# Altium PCB waffling80-MX-south.PcbDoc (part 2 of 3)
Units mm, origin at the board's own origin, x right, y up, seen from the top; angles counter-clockwise.
Board outline 343.71 x 126.52 mm, 2 copper layers (Component Side, Bottom Layer), stack 1.171 mm thick; 250 components, 145 nets, 1072 pads, 177 vias.
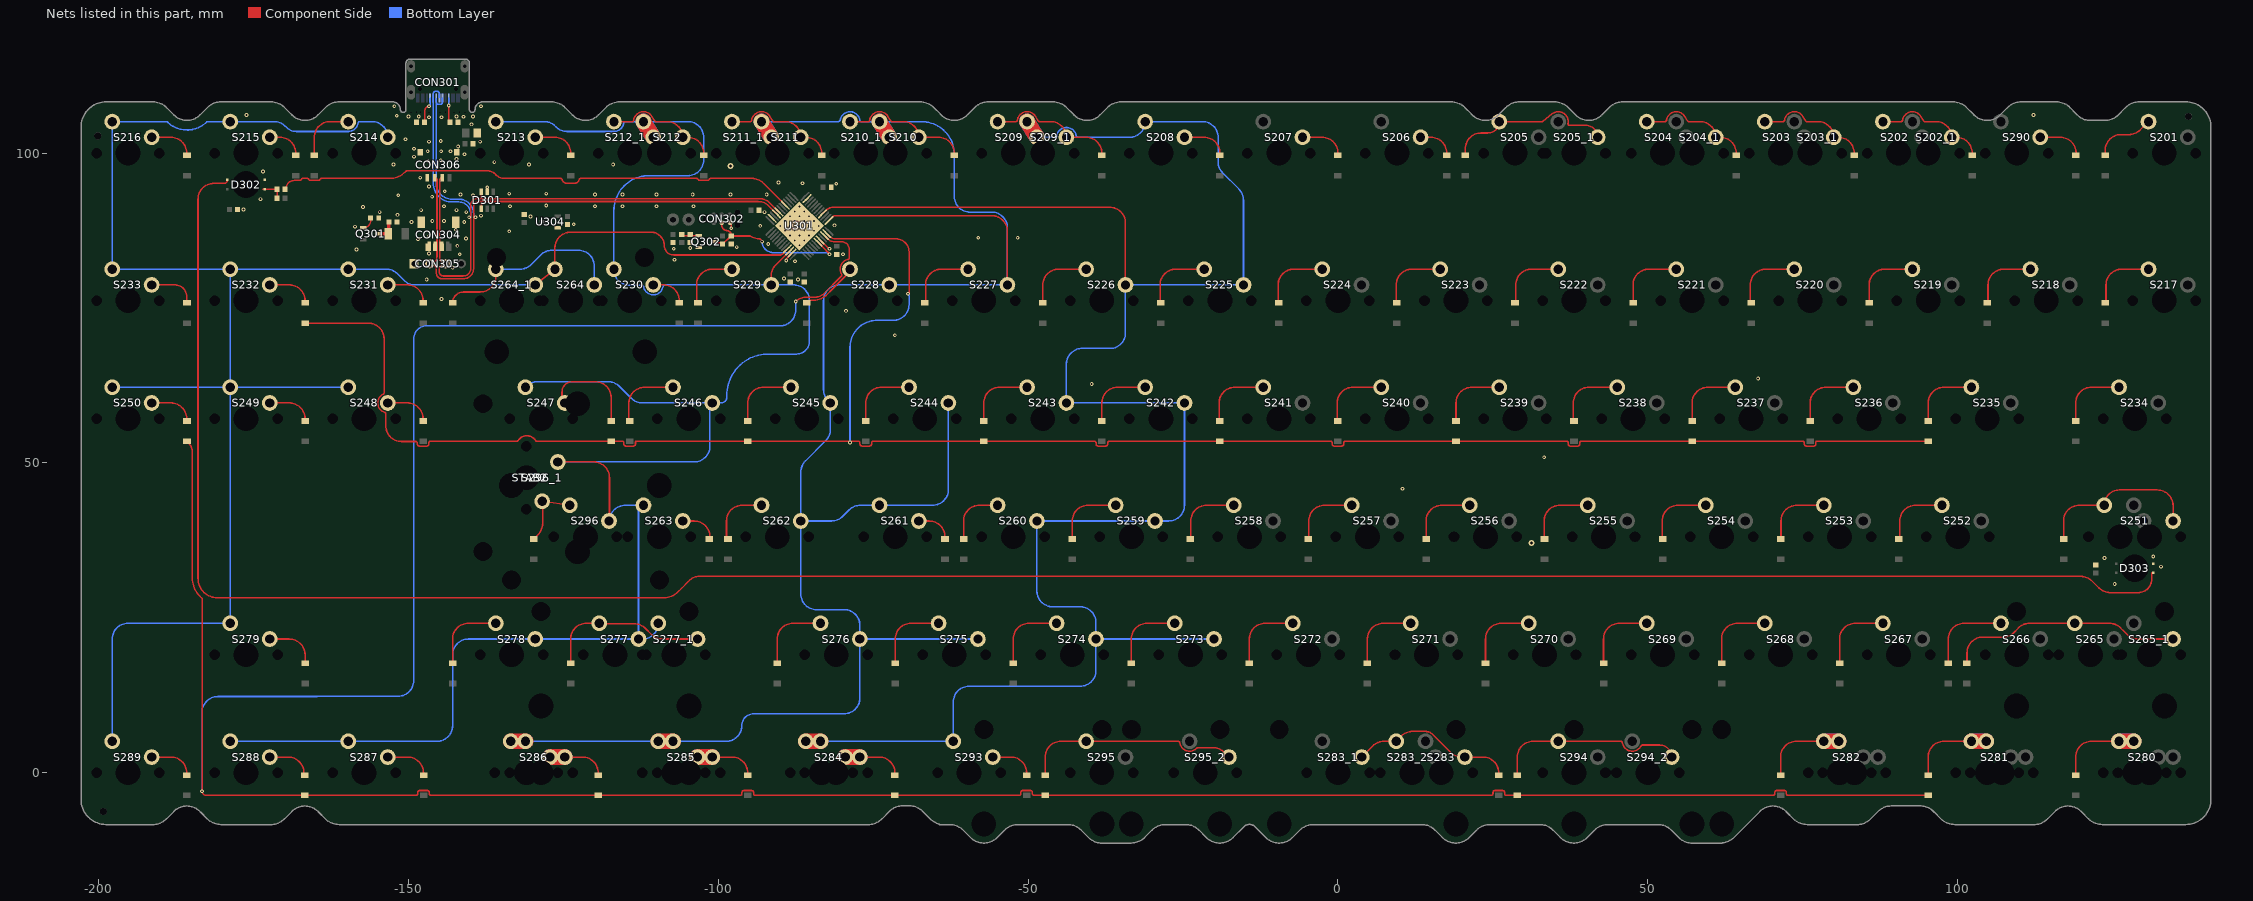
[diagram p2: the nets of this part, all layers, seen from the top]

## Via types
v1: diameter 0.6, hole 0.3, Component Side to Bottom Layer, tented both sides, 149 vias
v2: diameter 0.6, hole 0.3, Component Side to Bottom Layer, tented bottom, 25 vias
v3: diameter 1, hole 0.5, Component Side to Bottom Layer, tented both sides, 3 vias

## Nets (pads, with @x,y where several pads share a name; then routed paths per layer and width w, separated by ;. In a path a pad name is that pad's centre, name@x,y a point inside that pad or via, vN(x,y) a via of type N, cw(c..) or ccw(c..) an arc to the next point about the centre after c; other vN are vias at no path point) (continued)
col5: S208.2 S209.2 S209_1.2 S225.2 S226.2 S242.2 S243.2 S259.2 S260.2 S273.2 S274.2 S284.2 S293.2 U301.16 | length 341.9
  Component Side w0.254: U301.16@-83.023,90.365 U301.16@-82.588,90.8 ; U301.16@-82.587,90.801 cw(c-81.435,89.647) -81.435,91.278 -36.831,91.278 cw(c-36.831,88.738) -34.291,88.738 S226.2@-34.291,78.74
  Component Side w2.54: S284.2@-85.884,5.08 S284.2@-83.502,5.08 ; S209_1.2@-50.166,105.092 S209.2@-48.578,102.553
  Bottom Layer w0.254: S284.2@-85.884,5.08 S284.2@-83.502,5.08 S293.2@-62.072,5.08 -62.072,11.421 cw(c-59.532,11.421) -59.532,13.961 -41.593,13.961 ccw(c-41.593,16.501) -39.052,16.501 S274.2@-39.052,21.59 ; S209.2@-48.579,102.552 -45.648,102.552 ccw(c-45.649,102.806) -45.398,102.77 cw(c-43.816,102.552) -42.876,103.844 ; -45.398,102.77 cw(c-43.816,102.552) -45.002,103.621 ; -42.929,103.881 cw(c-43.816,102.552) -42.233,102.77 ccw(c-41.982,102.806) -41.983,102.552 -33.656,102.552 ccw(c-33.656,105.092) S208.2@-31.116,105.092 -21.872,105.092 cw(c-21.872,102.552) -19.332,102.552 -19.332,98.599 ccw(c-16.792,98.599) -18.588,96.803 -15.984,94.2 cw(c-17.781,92.404) -15.241,92.404 S225.2@-15.241,78.74 S226.2@-34.291,78.74 -34.291,71.001 cw(c-36.831,71.001) -36.442,68.491 -41.276,68.491 ccw(c-41.276,65.951) -41.664,68.461 ccw(c-41.276,65.951) -43.816,65.951 S243.2@-43.816,59.69 S242.2@-24.766,59.69 -24.766,43.18 cw(c-27.306,43.18) -27.306,40.64 S259.2@-29.528,40.64 S260.2@-48.578,40.64 -48.578,29.329 ccw(c-46.038,29.329) -46.038,26.789 -41.593,26.789 cw(c-41.593,24.249) -40.975,26.713 cw(c-41.593,24.249) -39.052,24.249 S274.2@-39.052,21.59 ; S273.2@-20.003,21.59 S274.2@-39.052,21.59
  Bottom Layer w2.54: S209_1.2@-50.166,105.092 S209.2@-48.579,102.552
col6: S210.2 S210_1.2 S211.2 S211_1.2 S227.2 S228.2 S244.2 S245.2 S261.2 S262.2 S275.2 S276.2 S285.2 S286.2 U301.13 | length 344.3
  Component Side w0.254: U301.13@-81.962,89.305 -81.512,89.754 cw(c-81.122,89.364) -81.122,89.916 -55.881,89.916 cw(c-55.881,87.376) -53.341,87.376 S227.2@-53.341,78.74
  Component Side w2.54: S286.2@-133.509,5.08 S286.2@-131.127,5.08 ; S285.2@-109.696,5.08 S285.2@-107.315,5.08 ; S211.2@-93.029,105.092 S211_1.2@-91.441,102.552 ; S210.2@-73.979,105.092 S210_1.2@-72.391,102.552
  Bottom Layer w0.254: S286.2@-133.509,5.08 S286.2@-131.127,5.08 S285.2@-109.696,5.08 S285.2@-107.315,5.08 -98.742,5.08 ccw(c-98.742,7.62) -96.202,7.62 cw(c-94.297,7.62) -94.297,9.525 -79.693,9.525 ccw(c-79.693,12.065) -77.153,12.065 S276.2@-77.153,21.59 ; S211.2@-93.029,105.092 -80.637,105.092 ccw(c-80.637,105.346) -80.458,105.166 -80.382,105.243 ccw(c-80.562,105.421) -80.312,105.375 cw(c-78.741,105.092) -80.169,105.807 cw(c-78.741,105.092) -77.191,105.48 cw(c-78.741,105.092) -77.158,105.31 ccw(c-76.907,105.346) -76.908,105.092 S210.2@-73.979,105.092 -67.214,105.092 cw(c-67.214,99.792) -61.914,99.792 -61.914,93.027 ccw(c-59.374,93.027) -59.374,90.487 -55.881,90.487 cw(c-55.881,87.947) -53.341,87.947 S227.2@-53.341,78.74 S228.2@-72.391,78.74 -80.481,78.74 ccw(c-80.481,76.2) -83.021,76.2 -83.021,61.847 ccw(c-80.481,61.847) -82.277,60.051 S245.2@-81.916,59.69 -81.916,55.408 cw(c-84.456,55.408) -82.659,53.612 -85.934,50.337 ccw(c-84.138,48.541) -86.678,48.541 S262.2@-86.678,40.64 ; -73.306,103.468 S210_1.2@-72.391,102.552 ; S244.2@-62.866,59.69 -62.866,45.72 cw(c-65.406,45.72) -65.406,43.18 S261.2@-73.978,43.18 -77.053,43.18 ccw(c-77.053,40.64) -78.849,42.436 -79.901,41.384 cw(c-81.697,43.18) -81.697,40.64 S262.2@-86.678,40.64 ; S275.2@-58.103,21.59 S276.2@-77.153,21.59 ; S262.2@-86.678,40.64 -86.678,28.875 ccw(c-84.138,28.875) -84.138,26.335 -79.693,26.335 cw(c-79.693,23.795) -77.153,23.795 S276.2@-77.153,21.59
  Bottom Layer w2.54: S211.2@-93.027,105.092 -92.108,103.622 S211_1.2@-91.441,102.552 ; S210.2@-73.979,105.092 -73.059,103.622 S210_1.2@-72.391,102.552
col7: S212.2 S212_1.2 S213.2 S229.2 S230.2 S246.2 S247.2 S263.2 S277.2 S277_1.2 S278.2 S287.2 S288.2 S296.2 S296_1.2 U301.46 | length 340.3
  Component Side w0.254: S296_1.2@-125.812,50.17 -120.092,50.17 cw(c-120.092,47.63) -117.552,47.63 S296.2@-117.552,40.64 ; S229.2@-91.441,78.74 -91.441,80.379 cw(c-89.362,80.379) -90.832,81.849 U301.46@-88.644,84.037
  Component Side w2.54: S212.2@-112.079,105.092 S212_1.2@-110.491,102.552
  Bottom Layer w0.254: S288.2@-178.752,5.08 S287.2@-159.702,5.08 -145.416,5.08 ccw(c-145.416,7.62) -142.876,7.62 -142.876,19.05 cw(c-140.336,19.05) -140.336,21.59 S278.2@-129.541,21.59 S277.2@-112.872,21.59 ; S213.2@-135.891,105.092 -128.05,105.092 cw(c-128.05,102.709) -126.365,104.394 -126.211,104.24 ccw(c-124.415,106.036) -124.415,103.496 -116.863,103.496 ; S247.2@-131.128,62.23 -130.983,62.375 cw(c-129.187,60.579) -129.187,63.119 -117.765,63.119 cw(c-117.765,60.579) -115.969,62.375 -114.028,60.434 ccw(c-112.232,62.23) -112.232,59.69 S246.2@-100.966,59.69 ; S296_1.2@-125.812,50.17 -103.886,50.17 ccw(c-103.886,52.71) -101.346,52.71 -101.346,59.31 cw(c-100.966,59.31) S246.2@-100.966,59.69 ; S296.2@-117.552,40.64 cw(c-115.012,40.64) -115.012,43.18 S263.2@-112.078,43.18 ccw(c-112.078,42.386) -112.872,42.386 S277.2@-112.872,21.59 ; -116.806,103.496 cw(c-116.841,105.092) -116.863,103.496 ; S277_1.2@-109.697,24.13 cw(c-112.237,24.13) -112.237,21.59 S277.2@-112.872,21.59 ; -116.863,103.496 ccw(c-116.841,105.092) -115.258,104.874 cw(c-115.007,104.838) -115.008,105.092 S212.2@-112.079,105.092 -104.902,105.092 cw(c-104.902,102.552) -102.362,102.552 -102.362,98.917 cw(c-104.902,98.917) -104.902,96.377 -111.198,96.377 ccw(c-111.198,90.735) -116.841,90.735 S230.2@-116.841,81.28 -116.841,81.211 ccw(c-114.301,81.211) -114.301,78.671 -112.312,78.671 cw(c-112.313,78.417) -112.063,78.462 ccw(c-110.491,78.74) -112.061,78.449 ccw(c-110.491,78.74) -109.016,78.126 ccw(c-110.491,78.74) -108.908,78.522 cw(c-108.657,78.486) -108.658,78.74 S229.2@-91.441,78.74 -87.83,78.74 cw(c-87.83,76.2) -87.594,78.729 cw(c-87.83,76.2) -85.29,76.2 -85.29,69.669 cw(c-87.377,69.669) -85.876,68.22 cw(c-87.377,69.669) -87.377,67.583 -92.204,67.583 ccw(c-92.203,66.421) -92.205,67.583 ccw(c-92.203,66.421) -92.34,67.575 -92.392,67.569 cw(c-92.421,67.821) -92.402,67.568 ccw(c-91.953,60.911) -93.453,67.412 cw(c-93.509,67.66) -93.476,67.408 ccw(c-93.363,66.507) -93.506,67.404 ccw(c-93.325,66.256) -93.749,67.338 cw(c-93.841,67.575) -93.77,67.331 ccw(c-91.953,60.911) -95.427,66.607 ccw(c-95.189,66.22) -95.436,66.602 cw(c-95.573,66.815) -95.444,66.596 ccw(c-95.217,66.204) -95.453,66.591 ccw(c-91.953,60.911) -96.412,65.874 cw(c-96.581,66.064) -96.423,65.865 ccw(c-95.704,64.952) -96.525,65.774 ccw(c-95.883,65.132) -96.557,65.741 cw(c-96.745,65.912) -96.568,65.729 ccw(c-91.953,60.911) -98.625,60.911 -98.625,60.632 cw(c-99.567,60.632) -99.567,59.69 S246.2@-100.966,59.69
  Bottom Layer w2.54: S212.2@-112.078,105.092 -111.158,103.622 S212_1.2@-110.491,102.552
col8: S214.2 S215.2 S216.2 S231.2 S232.2 S233.2 S248.2 S249.2 S250.2 S264.1 S264_1.1 S279.2 S289.2 U301.45 | length 321.8
  Component Side w0.254: S264_1.1@-129.541,78.74 S264.1@-126.366,81.28 -126.366,84.709 cw(c-123.826,84.709) -123.826,87.249 -110.869,87.249 cw(c-110.869,85.092) -108.712,85.092 -108.712,85.09 ccw(c-107.188,85.09) -107.188,83.566 -90.027,83.566 ccw(c-90.027,84.04) -89.691,83.705 ; -89.691,83.705 -89.006,84.39 U301.45@-88.998,84.39
  Bottom Layer w0.254: S289.2@-197.802,5.08 -197.802,21.59 cw(c-195.262,21.59) -195.262,24.13 S279.2@-178.752,24.13 S249.2@-178.752,62.23 ; S250.2@-197.802,62.23 S249.2@-178.752,62.23 ; -183.669,104.234 cw(c-184.455,105.605) -183.87,104.137 -184.24,103.989 cw(c-184.831,105.455) -184.453,103.92 -184.84,103.824 cw(c-185.224,105.357) -185.058,103.785 -185.459,103.742 cw(c-185.626,105.314) -185.678,103.734 -186.08,103.747 cw(c-186.031,105.327) -186.295,103.768 -186.695,103.836 cw(c-186.43,105.395) -186.907,103.887 -187.292,104.009 cw(c-186.816,105.517) -187.493,104.088 -187.857,104.261 cw(c-187.182,105.69) -188.052,104.37 -188.387,104.59 cw(c-187.52,105.912) -188.559,104.72 -188.864,104.986 cw(c-187.825,106.179) -188.906,105.024 ccw(c-189.078,104.838) -189.077,105.092 S216.2@-197.802,105.092 S233.2@-197.802,81.28 S232.2@-178.752,81.28 ; -183.668,104.234 -183.337,104.423 ccw(c-183.461,104.645) -183.333,104.425 -183.322,104.432 ccw(c-184.104,105.806) -183.139,104.554 -182.821,104.798 ccw(c-183.783,106.053) -182.691,104.909 -182.571,105.023 cw(c-182.397,104.838) -182.397,105.092 S215.2@-178.752,105.092 -171.676,105.092 cw(c-171.676,102.552) -169.88,104.348 -169.672,104.14 ccw(c-168.129,105.683) -168.129,103.501 -159.839,103.501 ccw(c-159.702,105.092) -158.12,104.874 cw(c-157.869,104.838) -157.87,105.092 -155.892,105.092 cw(c-155.892,102.552) S214.2@-153.352,102.552 ; S248.2@-159.702,62.23 S249.2@-178.752,62.23 ; S264_1.1@-129.541,78.74 -148.935,78.74 cw(c-148.935,81.28) -150.731,79.484 -151.783,80.536 ccw(c-153.579,78.74) -153.579,81.28 S231.2@-159.702,81.28 S232.2@-178.752,81.28 ; S249.2@-178.752,62.23 S232.2@-178.752,81.28
D_N: CON301.A7 CON301.B7 CON304.2 CON305.2 CON306.2 D301.3 U301.32 | length 110.9
  Component Side w0.254: CON306.2@-144.561,96.05 ccw(c-144.561,95.679) -144.932,95.679 -144.932,83.083 ccw(c-144.018,83.083) CON305.2@-144.018,82.169 ccw(c-144.018,81.128) -145.059,81.128 -145.059,80.899 ccw(c-144.342,80.899) -144.342,80.182 -141.128,80.182 ccw(c-141.128,81.356) -139.954,81.356 -139.954,91.599 cw(c-138.892,91.599) -139.944,91.742 cw(c-138.892,91.599) -139.036,92.65 cw(c-138.892,91.599) -138.892,92.66 -138.237,92.66 ; D301.3@-138.237,93.78 -138.237,92.66 ; -91.695,91.971 -90.872,91.149 -90.854,91.149 -90.424,90.719 U301.32@-90.412,90.719 ; -91.695,91.972 ccw(c-93.358,90.308) -93.358,92.66 -138.237,92.66
  Bottom Layer w0.254: CON301.A7@-145.007,108.92 -145.03,109.518 -145.03,109.645 ccw(c-145.357,109.645) -145.125,109.876 ccw(c-145.357,109.645) -145.126,109.877 ccw(c-145.357,109.645) -145.357,109.972 -145.657,109.972 ccw(c-145.657,109.645) -145.887,109.877 ccw(c-145.657,109.645) -145.889,109.876 ccw(c-145.657,109.645) -145.984,109.645 -145.984,109.518 CON301.B7@-146.007,108.92 cw(c-146.058,108.869) -145.985,108.869 -145.985,95.123 ccw(c-142.988,95.123) -142.988,92.126 -141.887,92.126 cw(c-141.887,90.193) -139.954,90.193 v1@-139.954,89.618
  other v1: -140.208,89.662
D_P: CON301.A6 CON301.B6 CON304.3 CON305.3 CON306.3 D301.4 U301.33 | length 110.6
  Component Side w0.254: CON306.3@-145.761,96.05 cw(c-145.761,95.679) -145.39,95.679 -145.39,83.337 cw(c-146.558,83.337) CON305.3@-146.558,82.169 cw(c-146.558,81.128) -145.517,81.128 -145.517,80.71 ccw(c-144.532,80.71) -144.532,79.725 -141.128,79.725 ccw(c-141.128,81.356) -139.497,81.356 -139.497,91.354 cw(c-138.648,91.354) -139.468,91.572 cw(c-138.648,91.354) -138.865,92.175 cw(c-138.648,91.354) -138.648,92.203 -138.237,92.203 ; D301.4@-138.237,91.03 -138.237,92.203 ; -91.884,91.514 -91.195,90.825 -91.195,90.807 -90.765,90.378 U301.33@-90.766,90.365 ; -91.884,91.515 ccw(c-93.547,89.851) -93.547,92.203 -138.237,92.203
  Bottom Layer w0.254: CON301.A6@-145.528,108.869 -145.528,95.123 ccw(c-142.988,95.123) -142.988,92.583 -141.887,92.583 cw(c-141.887,90.193) -139.497,90.193 -139.497,89.618 ; CON301.A6@-145.484,108.195 ccw(c-145.157,108.195) -145.389,107.965 ccw(c-145.157,108.195) -145.387,107.963 ccw(c-145.157,108.195) -145.157,107.868 -144.857,107.868 ccw(c-144.857,108.195) -144.626,107.963 ccw(c-144.857,108.195) -144.625,107.965 ccw(c-144.857,108.195) -144.53,108.195 CON301.B6@-144.53,108.897
  other v1: -139.192,89.662
GND: C301.1 C302.1 C303.1 C304.1 C305.1 C306.1 C307.1 C308.1 C310.2 C311.1 C312.1 C313.1 CON302.5 CON304.4 CON304.5 CON305.4 CON306.4 CON306.5 D301.2 D302.3 D303.3 L301.1 Q302.2 R301.2 R302.2 R304.2 R305.2 R307.2 U301.8 U301.23 U301.35 U301.47 U304.1 | length 21.7
  Component Side w0.254: CON302.5@-98.091,88.773 cw(c-98.091,88.599) -97.917,88.599 v1(-97.917,87.884) ; v1(-89.027,82.677) cw(c-88.376,82.677) -88.836,83.138 U301.47@-88.291,83.683 ; U301.8@-83.376,85.805 -82.233,84.661 ccw(c-82.042,84.852) v1(-82.042,84.582)
  Bottom Layer w0.254: v2@-86.894,85.15 v2(-87.672,85.928) v2(-88.45,86.706) v2(-89.228,87.484) v2(-90.005,88.262) v2(-89.228,89.04) ; v2(-86.116,85.928) v2(-89.228,89.04) ; v2(-83.783,88.262) v2(-84.561,89.04) v2(-85.338,89.817) v2(-86.116,90.595) -86.894,91.373 v2(-87.672,90.595) v2(-88.45,89.817) v2(-89.228,89.04)
  other v1: 125.349,30.48 132.842,33.274 123.698,34.671 131.572,34.925 10.414,45.847 33.274,50.927 -39.751,62.738 67.818,63.627 -71.501,70.612 -79.375,74.549 -144.653,76.454 -147.066,79.629 -87.122,79.629 -89.408,79.756 -142.876,81.532 -87.63,82.55 -107.061,82.804 -141.732,83.693 -79.883,83.693 -146.685,83.82 -158.369,84.455 -107.188,84.582 -104.521,84.709 -97.028,84.836 -142.107,85.04 -91.948,85.344 -148.463,86.106 -140.716,86.233 -58.039,86.36 -51.689,86.36 -146.685,86.614 -133.731,87.376 -142.367,87.63 -158.623,88.138 -93.218,88.265 -81.252,88.348 -123.317,88.519 -149.501,88.9 -141.008,88.883 -146.144,89.057 -144.251,89.057 -130.302,89.789 -138.303,89.916 -151.765,90.043 -154.652,90.487 -140.666,90.487 -92.558,90.487 -147.955,90.805 -142.24,90.805 -176.612,90.912 -157.353,91.313 -144.272,91.44 -133.604,91.44 -119.888,91.44 -115.443,91.44 -109.982,91.44 -104.013,91.44 -127.762,91.567 -173.863,92.583 -146.177,92.964 -151.638,93.218 -139.573,93.218 -141.605,93.345 -119.888,93.345 -115.443,93.345 -109.982,93.345 -104.14,93.345 -98.044,93.345 -92.202,93.345 -133.731,93.472 -127.762,93.472 -144.145,93.853 -137.287,94.505 -146.685,94.615 -80.964,95.065 -86.417,95.138 -90.297,95.25 -148.099,96.053 -173.482,97.028 -152.4,98.171 -130.556,98.171 -116.967,98.171 -136.144,98.552 -146.812,98.679 -144.78,98.806 -142.24,99.06 -149.098,99.441 -140.97,99.822 -146.905,100.307 -144.727,100.307 -143.231,100.307 -149.098,100.711 -141.986,101.092 -146.685,101.854 -138.43,101.854 -144.78,101.981 -150.495,102.235 -139.827,104.648 -146.685,105.791 -144.653,105.791 -141.128,105.875 -149.987,105.918 -148.333,105.921 -142.237,105.921 -139.573,105.918 -151.892,106.045 -176.149,106.172 112.268,106.172 -152.273,107.569 -138.303,107.569
  other v2: -86.894,85.15 -86.894,86.706 -85.338,86.706 -87.672,87.484 -86.116,87.484 -84.561,87.484 -88.45,88.262 -86.894,88.262 -85.338,88.262 -87.672,89.04 -86.116,89.04 -86.894,89.817 -86.894,91.373
  other v3: 31.242,37.084 -98.044,97.917
LED: R308.2 U301.29 | length 85
  Component Side w0.254: R308.2@-169.911,94.182 cw(c-169.785,94.056) -169.785,94.234 cw(c-168.424,94.234) -168.424,95.595 -167.578,95.595 ccw(c-167.578,95.922) -167.283,95.78 cw(c-167.055,95.669) -167.056,95.923 -166.379,95.923 ccw(c-166.379,96.631) -166.336,95.924 cw(c-166.322,95.671) -166.093,95.781 ccw(c-165.798,95.922) -165.798,95.595 -164.578,95.595 ccw(c-164.578,95.922) -164.283,95.78 cw(c-164.055,95.669) -164.056,95.923 -153.014,95.923 ccw(c-153.014,99.371) -150.575,96.934 -150.491,97.018 cw(c-150.21,96.743) -150.21,97.136 -137.196,97.136 cw(c-137.196,95.504) -136.038,96.654 ; -136.037,96.653 cw(c-136.216,96.472) -136.036,96.652 -135.928,96.544 -135.9,96.516 ccw(c-134.473,97.937) -135.759,96.387 ccw(c-134.473,97.937) -135.758,96.386 ccw(c-134.473,97.937) -135.757,96.385 ccw(c-134.473,97.937) -134.473,95.923 -125.438,95.923 cw(c-125.439,95.669) -125.193,95.732 ccw(c-124.436,95.922) -124.436,95.141 -123.215,95.141 ccw(c-123.215,95.922) -122.458,95.732 cw(c-122.212,95.669) -122.213,95.923 -103.494,95.923 cw(c-103.495,95.669) -103.267,95.78 ccw(c-102.972,95.922) -102.972,95.595 -101.752,95.595 ccw(c-101.752,95.922) -101.457,95.78 cw(c-101.229,95.669) -101.23,95.923 -94.547,95.923 cw(c-94.547,93.383) -92.751,95.179 U301.29@-89.351,91.78
NetC306_2: C306.2 F301.1 Q301.3 | length 3.6
  Component Side w0.5: Q301.3@-154.883,86.995 F301.1@-153.242,86.995 ccw(c-153.399,87.152) -153.177,87.152 C306.2@-153.177,88.9
NetC309_2: C309.2 Q302.1 R305.1 | length 2.8
  Component Side w0.254: C309.2@-105.918,86.883 -105.62,86.703 -103.518,86.703 Q302.1@-103.145,86.675
NetCON301_A5: CON301.A5 R301.1 | length 4.5
  Component Side w0.254: R301.1@-147.511,104.922 ccw(c-147.914,105.325) -147.494,104.94 ccw(c-147.914,105.325) -147.345,105.325 -147.345,106.909 cw(c-146.685,106.909) v1(-146.685,107.569)
  Bottom Layer w0.254: v1(-146.685,107.569) -146.685,107.663 -146.507,107.841 CON301.A5@-146.507,108.92
NetCON301_B5: CON301.B5 R302.1 | length 4.1
  Component Side w0.254: R302.1@-143.526,104.853 -143.51,104.868 v1(-143.51,107.696)
  Bottom Layer w0.254: v1(-143.51,107.696) -143.507,107.699 CON301.B5@-143.507,108.92
NetD201_1: D201.1 S201.1 | length 10
  Component Side w0.254: D201.1@123.824,99.647 123.824,100.457 cw(c126.364,100.457) 123.83,100.631 cw(c126.364,100.457) 126.364,102.997 127.662,102.997 ccw(c127.662,105.537) 129.458,103.741 S201.1@130.809,105.092
NetD202_1: D202.1 S202.1 S202_1.1 | length 19.2
  Component Side w0.254: S202.1@87.947,105.092 90.877,105.092 ccw(c90.876,105.346) 91.127,105.31 cw(c92.709,105.092) 94.064,105.939 94.065,105.936 94.519,105.211 ccw(c94.734,105.346) 94.734,105.092 96.52,105.092 cw(c96.52,102.552) S202_1.1@99.059,102.552 99.822,102.552 cw(c99.822,100.012) 102.362,100.012 D202.1@102.362,99.647
NetD203_1: D203.1 S203.1 S203_1.1 | length 19.8
  Component Side w0.254: S203.1@68.897,105.092 71.827,105.092 ccw(c71.826,105.346) 72.077,105.31 cw(c73.659,105.092) 72.089,105.385 ; 72.28,105.898 ccw(c73.659,105.092) 72.089,105.385 ; D203.1@83.312,99.647 83.312,100.012 ccw(c80.772,100.012) 80.772,102.552 S203_1.1@80.009,102.552 ccw(c77.47,102.552) 77.47,105.092 75.684,105.092 cw(c75.684,105.346) 75.469,105.211 75.015,105.936 75.014,105.939 ccw(c73.659,105.092) 72.089,105.385
NetD204_1: D204.1 S204.1 S204_1.1 | length 19.2
  Component Side w0.254: S204.1@49.847,105.092 52.777,105.092 ccw(c52.776,105.346) 53.027,105.31 cw(c54.609,105.092) 55.964,105.939 55.965,105.937 56.419,105.211 ccw(c56.634,105.346) 56.634,105.092 58.42,105.092 cw(c58.42,102.552) S204_1.1@60.959,102.552 61.722,102.552 cw(c61.722,100.012) 64.262,100.012 D204.1@64.262,99.647
NetD205_1: D205.1 S205.1 S205_1.1 | length 31.1
  Component Side w0.254: D205.1@20.549,99.647 20.549,100.711 cw(c23.089,100.711) 23.089,103.251 24.194,103.251 ccw(c24.194,105.092) S205.1@26.034,105.092 32.914,105.092 ccw(c32.914,105.346) 33.072,105.148 34.561,106.339 cw(c35.559,105.092) 37.129,104.798 ; 35.275,106.664 cw(c35.559,105.092) 37.129,104.799 ; S205_1.1@41.909,102.552 ccw(c39.963,102.552) 39.963,104.499 37.378,104.499 cw(c37.379,104.753) 37.129,104.798
NetD206_1: D206.1 S206.1 | length 6
  Component Side w0.254: S206.1@13.334,102.552 15.009,102.552 cw(c15.009,100.012) 17.549,100.012 D206.1@17.549,99.647
NetD207_1: D207.1 S207.1 | length 7.5
  Component Side w0.254: S207.1@-5.716,102.552 -2.535,102.552 cw(c-2.535,100.012) 0.005,100.012 D207.1@0.005,99.648
NetD208_1: D208.1 S208.1 | length 7.5
  Component Side w0.254: S208.1@-24.766,102.552 -21.585,102.552 cw(c-21.585,100.012) -19.045,100.012 D208.1@-19.045,99.648
NetD209_1: D209.1 S209.1 S209_1.1 | length 21.6
  Component Side w0.254: S209.1@-54.929,105.092 -51.998,105.092 ccw(c-51.999,105.346) -51.748,105.31 cw(c-50.166,105.092) -48.811,105.939 -48.81,105.937 -48.356,105.211 ccw(c-48.141,105.346) -48.141,105.092 -46.355,105.092 cw(c-46.355,102.552) S209_1.1@-43.816,102.552 -40.641,102.552 cw(c-40.641,100.012) -38.101,100.012 D209.1@-38.101,99.647
NetD210_1: D210.1 S210.1 S210_1.1 | length 21.6
  Component Side w0.254: S210_1.1@-78.741,105.092 -75.811,105.092 ccw(c-75.812,105.346) -75.56,105.311 cw(c-73.979,105.092) -72.624,105.939 -72.623,105.936 -72.169,105.211 ccw(c-71.955,105.346) -71.955,105.092 -70.169,105.092 cw(c-70.169,102.552) S210.1@-67.629,102.552 -64.454,102.552 cw(c-64.454,100.012) -61.914,100.012 D210.1@-61.914,99.647
NetD211_1: D211.1 S211.1 S211_1.1 | length 19.3
  Component Side w0.254: S211_1.1@-97.791,105.092 -94.861,105.092 ccw(c-94.862,105.346) -94.61,105.311 cw(c-93.029,105.092) -91.674,105.939 -91.673,105.936 -91.219,105.211 ccw(c-91.005,105.346) -91.005,105.092 -89.219,105.092 cw(c-89.219,102.552) S211.1@-86.679,102.552 -85.852,102.552 cw(c-85.852,100.012) -83.312,100.012 D211.1@-83.312,99.647
NetD212_1: D212.1 S212.1 S212_1.1 | length 19.3
  Component Side w0.254: S212_1.1@-116.841,105.092 -113.911,105.092 ccw(c-113.912,105.346) -113.66,105.311 cw(c-112.079,105.092) -110.724,105.939 -110.723,105.936 -110.269,105.211 ccw(c-110.055,105.346) -110.055,105.092 -108.269,105.092 cw(c-108.269,102.552) S212.1@-105.729,102.552 -104.902,102.552 cw(c-104.902,100.012) -102.362,100.012 D212.1@-102.362,99.647
NetD213_1: D213.1 S213.1 | length 7.5
  Component Side w0.254: S213.1@-129.541,102.552 -126.36,102.552 cw(c-126.36,100.012) -123.82,100.012 D213.1@-123.82,99.648
NetD214_1: D214.1 S214.1 | length 9.8
  Component Side w0.254: D214.1@-165.188,99.647 -165.188,102.552 cw(c-162.648,102.552) -162.648,105.092 S214.1@-159.702,105.092
NetD215_1: D215.1 S215.1 | length 6
  Component Side w0.254: S215.1@-172.403,102.552 -170.728,102.552 cw(c-170.728,100.012) -168.188,100.012 D215.1@-168.188,99.647
NetD216_1: D216.1 S216.1 | length 7.5
  Component Side w0.254: S216.1@-191.452,102.552 -188.336,102.552 cw(c-188.336,100.012) -185.796,100.012 D216.1@-185.796,99.648
NetD217_1: D217.1 S217.1 | length 11.2
  Component Side w0.254: D217.1@123.957,75.835 123.957,78.74 cw(c126.497,78.74) 126.497,81.28 S217.1@130.809,81.28
NetD218_1: D218.1 S218.1 | length 11.2
  Component Side w0.254: D218.1@104.907,75.835 104.907,78.74 cw(c107.447,78.74) 107.447,81.28 S218.1@111.759,81.28
NetD219_1: D219.1 S219.1 | length 11.3
  Component Side w0.254: D219.1@85.73,75.835 85.73,78.74 cw(c88.27,78.74) 88.27,81.28 S219.1@92.709,81.28
NetD220_1: D220.1 S220.1 | length 11.5
  Component Side w0.254: D220.1@66.553,75.835 66.553,78.74 cw(c69.093,78.74) 69.093,81.28 S220.1@73.659,81.28
NetD221_1: D221.1 S221.1 | length 11.3
  Component Side w0.254: D221.1@47.624,75.835 47.624,78.74 cw(c50.164,78.74) 50.164,81.28 S221.1@54.609,81.28
NetD222_1: D222.1 S222.1 | length 11.2
  Component Side w0.254: D222.1@28.707,75.835 28.707,78.74 cw(c31.247,78.74) 31.247,81.28 S222.1@35.559,81.28
NetD223_1: D223.1 S223.1 | length 11.5
  Component Side w0.254: D223.1@9.403,75.835 9.403,78.74 cw(c11.943,78.74) 11.943,81.28 S223.1@16.509,81.28
NetD224_1: D224.1 S224.1 | length 11.5
  Component Side w0.254: D224.1@-9.647,75.835 -9.647,78.74 cw(c-7.107,78.74) -7.107,81.28 S224.1@-2.541,81.28
NetD225_1: D225.1 S225.1 | length 11.5
  Component Side w0.254: D225.1@-28.697,75.835 -28.697,78.74 cw(c-26.157,78.74) -26.157,81.28 S225.1@-21.591,81.28
NetD226_1: D226.1 S226.1 | length 11.3
  Component Side w0.254: D226.1@-47.62,75.835 -47.62,78.74 cw(c-45.08,78.74) -45.08,81.28 S226.1@-40.641,81.28
NetD227_1: D227.1 S227.1 | length 11.2
  Component Side w0.254: D227.1@-66.543,75.835 -66.543,78.74 cw(c-64.003,78.74) -64.003,81.28 S227.1@-59.691,81.28
NetD228_1: D228.1 S228.1 | length 9.3
  Component Side w0.254: D228.1@-85.726,75.835 -85.28,76.163 -85.28,76.258 cw(c-85.174,76.027) -85.174,76.281 -84.586,76.281 ccw(c-84.586,79.275) -82.658,76.985 ccw(c-83.116,77.524) -82.617,77.022 ccw(c-83.116,77.524) -82.616,77.023 -81.509,78.13 -79.01,80.629 ccw(c-79.662,81.28) S228.1@-78.741,81.28
NetD229_1: D229.1 S229.1 | length 10.1
  Component Side w0.254: D229.1@-103.5,75.835 -103.5,78.74 cw(c-100.96,78.74) -100.96,81.28 S229.1@-97.791,81.28
NetD230_1: D230.1 S230.1 | length 6
  Component Side w0.254: S230.1@-110.491,78.74 -108.834,78.74 cw(c-108.834,76.2) -106.294,76.2 D230.1@-106.294,75.835
NetD231_1: D231.1 S231.1 | length 7.5
  Component Side w0.254: S231.1@-153.352,78.74 -150.177,78.74 cw(c-150.177,76.2) -147.637,76.2 D231.1@-147.637,75.835
NetD232_1: D232.1 S232.1 | length 7.5
  Component Side w0.254: S232.1@-172.403,78.74 -169.227,78.74 cw(c-169.227,76.2) -166.688,76.2 D232.1@-166.688,75.835
NetD233_1: D233.1 S233.1 | length 7.8
  Component Side w0.254: S233.1@-191.452,78.74 -187.685,78.74 cw(c-187.685,76.85) -185.796,76.85 D233.1@-185.796,75.835
NetD234_1: D234.1 S234.1 | length 11.3
  Component Side w0.254: D234.1@119.062,56.785 119.062,59.69 cw(c121.602,59.69) 121.602,62.23 S234.1@126.047,62.23
NetD235_1: D235.1 S235.1 | length 11.3
  Component Side w0.254: D235.1@95.255,56.785 95.255,59.69 cw(c97.795,59.69) 97.795,62.23 S235.1@102.234,62.23
NetD236_1: D236.1 S236.1 | length 11.3
  Component Side w0.254: D236.1@76.205,56.785 76.205,59.69 cw(c78.745,59.69) 78.745,62.23 S236.1@83.184,62.23
NetD237_1: D237.1 S237.1 | length 11.3
  Component Side w0.254: D237.1@57.155,56.785 57.155,59.69 cw(c59.695,59.69) 59.695,62.23 S237.1@64.134,62.23
NetD238_1: D238.1 S238.1 | length 11.5
  Component Side w0.254: D238.1@37.978,56.785 37.978,59.69 cw(c40.518,59.69) 40.518,62.23 S238.1@45.084,62.23
NetD239_1: D239.1 S239.1 | length 11.3
  Component Side w0.254: D239.1@19.055,56.785 19.055,59.69 cw(c21.595,59.69) 21.595,62.23 S239.1@26.034,62.23
NetD240_1: D240.1 S240.1 | length 11.5
  Component Side w0.254: D240.1@-0.122,56.785 -0.122,59.69 cw(c2.418,59.69) 2.418,62.23 S240.1@6.984,62.23
NetD241_1: D241.1 S241.1 | length 11.5
  Component Side w0.254: D241.1@-19.172,56.785 -19.172,59.69 cw(c-16.632,59.69) -16.632,62.23 S241.1@-12.066,62.23
NetD242_1: D242.1 S242.1 | length 11.3
  Component Side w0.254: D242.1@-38.095,56.785 -38.095,59.69 cw(c-35.555,59.69) -35.555,62.23 S242.1@-31.116,62.23
NetD243_1: D243.1 S243.1 | length 11.3
  Component Side w0.254: D243.1@-57.145,56.785 -57.145,59.69 cw(c-54.605,59.69) -54.605,62.23 S243.1@-50.166,62.23
NetD244_1: D244.1 S244.1 | length 11.3
  Component Side w0.254: D244.1@-76.201,56.785 -76.201,59.69 cw(c-73.661,59.69) -73.661,62.23 S244.1@-69.216,62.23
NetD245_1: D245.1 S245.1 | length 11.3
  Component Side w0.254: D245.1@-95.251,56.785 -95.251,59.69 cw(c-92.711,59.69) -92.711,62.23 S245.1@-88.266,62.23
NetD246_1: D246.1 S246.1 | length 11.5
  Component Side w0.254: D246.1@-114.422,56.785 -114.422,59.69 cw(c-111.882,59.69) -111.882,62.23 S246.1@-107.316,62.23
NetD247_1: D247.1 S247.1 STAB2.@-122.713,59.562 | length 16.1
  Component Side w0.254: S247.1@-124.778,59.69 cw(c-124.778,60.134) -124.968,59.733 cw(c-124.778,60.134) -125.086,59.814 cw(c-124.778,60.134) -125.222,60.134 -125.222,61.468 cw(c-123.571,61.468) -123.571,63.119 -119.84,63.119 cw(c-119.84,60.579) -117.3,60.579 D247.1@-117.3,56.785
NetD248_1: D248.1 S248.1 | length 7.5
  Component Side w0.254: S248.1@-153.352,59.69 -150.177,59.69 cw(c-150.177,57.15) -147.637,57.15 D248.1@-147.637,56.785
NetD249_1: D249.1 S249.1 | length 7.5
  Component Side w0.254: S249.1@-172.403,59.69 -169.227,59.69 cw(c-169.227,57.15) -166.688,57.15 D249.1@-166.688,56.785
NetD250_1: D250.1 S250.1 | length 7.5
  Component Side w0.254: S250.1@-191.452,59.69 -188.336,59.69 cw(c-188.336,57.15) -185.796,57.15 D250.1@-185.796,56.785
NetD251_1: D251.1 S251.1 | length 27.4
  Component Side w0.254: D251.1@117.099,37.735 117.099,40.64 ; 117.099,40.952 117.099,40.64 ; S251.1@123.666,43.18 119.639,43.18 ccw(c119.639,40.64) 117.099,40.64 ; S251.1@123.686,43.492 cw(c126.135,43.18) 126.135,45.649 132.238,45.649 cw(c132.238,43.109) 134.778,43.109 S251.1@134.778,40.64
NetD252_1: D252.1 S252.1 | length 11.1
  Component Side w0.254: D252.1@90.683,37.735 90.683,40.64 cw(c93.223,40.64) 93.223,43.18 S252.1@97.472,43.18
NetD253_1: D253.1 S253.1 | length 11.3
  Component Side w0.254: D253.1@71.506,37.735 71.506,40.64 cw(c74.046,40.64) 74.046,43.18 S253.1@78.422,43.18
NetD254_1: D254.1 S254.1 | length 11.4
  Component Side w0.254: D254.1@52.329,37.735 52.329,40.64 cw(c54.869,40.64) 54.869,43.18 S254.1@59.372,43.18
NetD255_1: D255.1 S255.1 | length 11.4
  Component Side w0.254: D255.1@33.279,37.735 33.279,40.64 cw(c35.819,40.64) 35.819,43.18 S255.1@40.322,43.18
NetD256_1: D256.1 S256.1 | length 12.2
  Component Side w0.254: D256.1@14.229,37.735 14.229,40.64 cw(c16.769,40.64) 16.769,43.18 S256.1@21.272,43.18
  Bottom Layer w0.254: S256.1@20.706,42.614 S256.1@21.272,43.18
NetD257_1: D257.1 S257.1 | length 11.3
  Component Side w0.254: D257.1@-4.694,37.735 -4.694,40.64 cw(c-2.154,40.64) -2.154,43.18 S257.1@2.222,43.18
NetD258_1: D258.1 S258.1 | length 11.3
  Component Side w0.254: D258.1@-23.744,37.735 -23.744,40.64 cw(c-21.204,40.64) -21.204,43.18 S258.1@-16.828,43.18
NetD259_1: D259.1 S259.1 | length 11.3
  Component Side w0.254: D259.1@-42.863,37.735 -42.863,40.64 cw(c-40.323,40.64) -40.323,43.18 S259.1@-35.878,43.18
NetD260_1: D260.1 S260.1 | length 9.8
  Component Side w0.254: D260.1@-60.413,37.735 -60.413,40.64 cw(c-57.873,40.64) -57.873,43.18 S260.1@-54.928,43.18
NetD261_1: D261.1 S261.1 | length 6
  Component Side w0.254: S261.1@-67.628,40.64 -65.953,40.64 cw(c-65.953,38.1) -63.413,38.1 D261.1@-63.413,37.735
NetD262_1: D262.1 S262.1 | length 10
  Component Side w0.254: D262.1@-98.68,37.735 -98.68,40.64 cw(c-96.14,40.64) -96.14,43.18 S262.1@-93.028,43.18
NetD263_1: D263.1 S263.1 | length 6.2
  Component Side w0.254: S263.1@-105.728,40.64 -103.887,40.64 cw(c-103.887,38.1) -101.347,38.1 D263.1@-101.347,37.735
NetD264_1: D264.1 S264.2 S264_1.2 | length 32
  Component Side w0.254: D264.1@-142.876,75.835 cw(c-141.113,75.835) -141.113,77.597 -138.431,77.597 ccw(c-138.431,80.137) -135.891,80.137 S264_1.2@-135.891,81.28
  Bottom Layer w0.254: S264_1.2@-135.891,81.28 -131.989,81.28 ccw(c-131.989,83.82) -130.193,82.024 -128.633,83.584 cw(c-126.837,81.788) -126.837,84.328 -122.556,84.328 cw(c-122.556,81.788) -120.016,81.788 S264.2@-120.016,78.74
NetD265_1: D265.1 S265.1 S265_1.1 | length 37.8
  Component Side w0.254: D265.1@101.514,17.685 101.514,19.36 cw(c104.054,19.36) 104.054,21.9 107.438,21.9 ccw(c107.438,24.068) 108.971,22.535 109.823,23.386 cw(c111.619,21.59) 111.619,24.13 S265.1@118.903,24.13 124.512,24.13 cw(c124.512,21.59) 126.308,23.386 126.923,22.771 ; 127.028,22.672 127.365,22.334 ccw(c129.162,24.13) 129.162,21.59 S265_1.1@134.778,21.59
NetD266_1: D266.1 S266.1 | length 13.8
  Component Side w0.254: D266.1@98.514,17.685 98.514,21.59 cw(c101.054,21.59) 101.054,24.13 S266.1@106.999,24.13
NetD267_1: D267.1 S267.1 | length 12.3
  Component Side w0.254: D267.1@80.962,17.685 80.962,21.59 cw(c83.502,21.59) 83.502,24.13 S267.1@87.947,24.13
NetD268_1: D268.1 S268.1 | length 12.3
  Component Side w0.254: D268.1@61.912,17.685 61.912,21.59 cw(c64.452,21.59) 64.452,24.13 S268.1@68.897,24.13
NetD269_1: D269.1 S269.1 | length 12.3
  Component Side w0.254: D269.1@42.862,17.685 42.862,21.59 cw(c45.402,21.59) 45.402,24.13 S269.1@49.847,24.13
NetD270_1: D270.1 S270.1 | length 12.3
  Component Side w0.254: D270.1@23.812,17.685 23.812,21.59 cw(c26.352,21.59) 26.352,24.13 S270.1@30.797,24.13
NetD271_1: D271.1 S271.1 | length 12.3
  Component Side w0.254: D271.1@4.762,17.685 4.762,21.59 cw(c7.302,21.59) 7.302,24.13 S271.1@11.747,24.13
NetD272_1: D272.1 S272.1 | length 12.3
  Component Side w0.254: D272.1@-14.288,17.685 -14.288,21.59 cw(c-11.748,21.59) -11.748,24.13 S272.1@-7.303,24.13
NetD273_1: D273.1 S273.1 | length 12.3
  Component Side w0.254: D273.1@-33.338,17.685 -33.338,21.59 cw(c-30.798,21.59) -30.798,24.13 S273.1@-26.353,24.13
NetD274_1: D274.1 S274.1 | length 12.3
  Component Side w0.254: D274.1@-52.388,17.685 -52.388,21.59 cw(c-49.848,21.59) -49.848,24.13 S274.1@-45.402,24.13
NetD275_1: D275.1 S275.1 | length 12.3
  Component Side w0.254: D275.1@-71.438,17.685 -71.438,21.59 cw(c-68.898,21.59) -68.898,24.13 S275.1@-64.453,24.13
NetD276_1: D276.1 S276.1 | length 12.3
  Component Side w0.254: D276.1@-90.488,17.685 -90.488,21.59 cw(c-87.948,21.59) -87.948,24.13 S276.1@-83.503,24.13
NetD277_1: D277.1 S277.1 S277_1.1 | length 26.8
  Component Side w0.254: D277.1@-123.826,17.685 -123.826,21.59 cw(c-121.286,21.59) -121.286,24.13 S277.1@-119.222,24.13 -119.121,24.13 -119.05,24.059 -113.569,24.059 cw(c-113.569,21.519) -111.773,23.315 -110.791,22.334 ccw(c-108.995,24.13) -108.995,21.59 S277_1.1@-103.246,21.59
NetD278_1: D278.1 S278.1 | length 12.3
  Component Side w0.254: D278.1@-142.876,17.685 -142.876,21.59 cw(c-140.336,21.59) -140.336,24.13 S278.1@-135.891,24.13
NetD279_1: D279.1 S279.1 | length 8.5
  Component Side w0.254: S279.1@-172.403,21.59 -169.227,21.59 cw(c-169.227,19.05) -166.688,19.05 D279.1@-166.688,17.685
NetD280_1: D280.1 S280.2 | length 16.1
  Component Side w0.254: D280.1@119.062,-0.365 119.062,2.54 cw(c121.602,2.54) 121.602,5.08 S280.2@126.047,5.08
  Component Side w2.54: S280.2@126.047,5.08 S280.2@128.428,5.08
  Bottom Layer w2.54: S280.2@126.047,5.08 S280.2@128.428,5.08
NetD281_1: D281.1 S281.2 | length 16.1
  Component Side w0.254: D281.1@95.25,-0.365 95.25,2.54 cw(c97.79,2.54) 97.79,5.08 S281.2@102.235,5.08
  Component Side w2.54: S281.2@102.235,5.08 S281.2@104.616,5.08
  Bottom Layer w2.54: S281.2@102.235,5.08 S281.2@104.616,5.08
NetD282_1: D282.1 S282.2 | length 16.1
  Component Side w0.254: D282.1@71.437,-0.365 71.437,2.54 cw(c73.977,2.54) 73.977,5.08 S282.2@78.422,5.08
  Component Side w2.54: S282.2@78.422,5.08 S282.2@80.804,5.08
  Bottom Layer w2.54: S282.2@78.422,5.08 S282.2@80.804,5.08
NetD283_1: D283.1 S283.1 S283_1.1 S283_2.1 | length 27.1
  Component Side w0.254: S283_1.1@3.81,2.54 5.606,4.336 cw(c7.402,2.54) 7.402,5.08 9.366,5.08 10.219,5.932 cw(c12.015,4.136) 12.015,6.676 14.084,6.676 ccw(c14.083,6.93) 14.09,6.676 ; 14.185,6.676 ccw(c14.136,5.08) 14.09,6.676 ; D283.1@25.956,-0.365 25.956,0 ccw(c23.416,0) 23.416,2.54 S283.1@20.486,2.54 19.986,2.54 cw(c19.986,5.08) 18.19,3.284 15.302,6.172 ccw(c14.136,5.08) 14.09,6.676
NetD284_1: D284.1 S284.1 | length 12.2
  Component Side w0.254: S284.1@-77.153,2.54 -74.036,2.54 cw(c-74.036,0) -71.496,0 D284.1@-71.496,-0.365
  Component Side w2.54: S284.1@-79.534,2.54 S284.1@-77.153,2.54
  Bottom Layer w2.54: S284.1@-79.534,2.54 S284.1@-77.153,2.54
NetD285_1: D285.1 S285.1 | length 14.7
  Component Side w0.254: S285.1@-103.346,2.54 -97.785,2.54 cw(c-97.785,0) -95.245,0 D285.1@-95.245,-0.365
  Component Side w2.54: S285.1@-103.346,2.54 S285.1@-100.965,2.54
  Bottom Layer w2.54: S285.1@-103.346,2.54 S285.1@-100.965,2.54
NetD286_1: D286.1 S286.1 | length 12
  Component Side w0.254: S286.1@-124.777,2.54 -121.915,2.54 cw(c-121.915,0) -119.375,0 D286.1@-119.375,-0.365
  Component Side w2.54: S286.1@-127.159,2.54 S286.1@-124.777,2.54
  Bottom Layer w2.54: S286.1@-127.159,2.54 S286.1@-124.777,2.54
NetD287_1: D287.1 S287.1 | length 7.6
  Component Side w0.254: S287.1@-153.352,2.54 -150.109,2.54 cw(c-150.109,0) -147.569,0 D287.1@-147.569,-0.365
NetD288_1: D288.1 S288.1 | length 7.3
  Component Side w0.254: S288.1@-172.403,2.54 -169.413,2.54 cw(c-169.413,0) -166.873,0 D288.1@-166.873,-0.365
NetD289_1: D289.1 S289.1 | length 7.5
  Component Side w0.254: S289.1@-191.452,2.54 -188.336,2.54 cw(c-188.336,0) -185.796,0 D289.1@-185.796,-0.365
NetD290_1: D290.1 S290.1 | length 7.6
  Component Side w0.254: S290.1@113.347,102.552 116.585,102.552 cw(c116.585,100.012) 119.125,100.012 D290.1@119.125,99.648
NetD293_1: D293.1 S293.1 | length 7.3
  Component Side w0.254: S293.1@-55.722,2.54 -52.781,2.54 cw(c-52.781,0) -50.241,0 D293.1@-50.241,-0.365
NetD294_1: D294.1 S294.2 S294_2.1 | length 31.6
  Component Side w0.254: D294.1@28.956,-0.365 28.956,2.54 cw(c31.496,2.54) 31.496,5.08 S294.2@35.56,5.08 45.666,5.08 cw(c45.665,4.826) 45.916,4.861 ccw(c47.498,5.08) 48.919,4.35 cw(c49.144,4.233) 49.143,4.487 51.901,4.487 cw(c51.901,2.54) S294_2.1@53.848,2.54
NetD295_1: D295.1 S295.2 S295_2.1 | length 35.5
  Component Side w0.254: D295.1@-47.241,-0.365 -47.241,2.54 cw(c-44.701,2.54) -44.701,5.08 S295.2@-40.64,5.08 -25.772,5.08 cw(c-25.773,4.826) -25.522,4.861 ccw(c-23.94,5.08) -22.783,3.979 cw(c-22.6,3.803) -22.601,4.057 -20.159,4.057 cw(c-20.159,1.517) -18.363,3.313 S295_2.1@-17.59,2.54
NetD296_1: D296.1 S296.1 S296_1.1 | length 11.1
  Component Side w0.254: D296.1@-129.789,37.735 -129.096,38.428 ccw(c-130.892,40.224) -128.352,40.224 -128.352,43.82 S296.1@-123.902,43.18
NetD302_2: D302.2 D303.4 | length 389.1
  Component Side w0.254: D302.2@-179.213,95.683 cw(c-179.773,95.683) -179.773,95.123 -181.425,95.123 ccw(c-181.425,92.583) -183.965,92.583 -183.965,31.369 ccw(c-180.848,31.369) -183.637,29.976 ccw(c-180.848,31.369) -180.848,28.252 -108.736,28.252 ccw(c-108.736,31.369) -106.53,29.166 -105.939,29.758 -104.791,30.905 -104.58,31.117 cw(c-103.19,29.73) -103.479,31.672 cw(c-103.19,29.73) -103.191,31.693 119.909,31.693 cw(c119.909,29.153) 121.705,30.949 122.827,29.827 ccw(c124.623,31.623) 124.623,29.083 129.159,29.083 ccw(c129.159,31.261) 131.337,31.261 131.337,32.27
NetD302_4: D302.4 R306.2 R308.1 | length 3.5
  Component Side w0.254: D302.4@-173.213,94.182 R308.1@-171.211,94.182 ; R308.1@-171.211,94.182 -171.196,94.182 R306.2@-171.196,92.71
NetQ301_1: Q301.1 R307.1 | length 2.3
  Component Side w0.254: Q301.1@-157.283,87.945 ccw(c-157.283,89.13) -156.098,89.13 R307.1@-156.098,89.535
NRST: C310.1 CON302.3 Q302.3 R303.2 U301.7 | length 26.2
  Component Side w0.254: Q302.3@-100.745,85.725 -100.372,85.577 -99.612,85.577 R303.2@-99.314,85.329 -99.016,85.602 -98.215,86.356 C310.1@-97.917,86.629 ; CON302.3@-99.441,88.773 -99.441,88.397 ccw(c-98.552,88.397) -98.552,87.508 cw(c-98.552,86.873) -98.518,87.507 cw(c-98.532,87.253) -98.356,87.436 ccw(c-97.917,87.884) -98.13,87.294 cw(c-98.218,87.056) -97.995,87.179 cw(c-98.552,86.873) -97.918,86.902 -97.917,86.873 C310.1@-97.917,86.629 ; v1(-92.928,85.725) ccw(c-93.181,85.713) -93.002,85.893 -93.198,86.089 ccw(c-93.378,85.91) -93.22,86.109 ccw(c-93.378,85.91) -93.366,86.164 cw(c-93.218,89.154) -94.769,86.593 ccw(c-94.9,86.376) -94.884,86.629 C310.1@-97.917,86.629 ; U301.7@-83.73,85.451 -83.033,84.754 -82.655,84.376 cw(c-82.834,84.196) -82.606,84.308 ccw(c-82.042,84.582) -82.249,83.99 cw(c-82.334,83.751) -82.154,83.93 -82.116,83.892 cw(c-82.296,83.713) -82.042,83.713 v1(-82.042,83.693)
  Bottom Layer w0.254: v1(-92.928,85.725) ccw(c-91.162,85.725) -92.825,85.132 ccw(c-91.162,85.725) -91.755,84.062 ccw(c-91.162,85.725) -91.162,83.959 -82.402,83.959 -82.136,83.693 v1(-82.042,83.693)
PA0: D250.2 D281.2 D284.2 D286.2 D288.2 D294.2 D295.2 U301.10 | length 530.9
  Component Side w0.254: D250.2@-185.737,53.515 -185.617,53.394 cw(c-187.413,51.598) -184.873,51.598 -184.873,31.369 ccw(c-180.848,31.369) -184.449,29.571 ccw(c-180.848,31.369) -183.359,28.223 cw(c-183.518,28.025) -183.276,27.945 ccw(c-182.734,27.765) -183.306,27.765 v1(-183.306,-2.986) ccw(c-182.657,-2.986) -182.657,-3.635 D288.2@-166.746,-3.635 -148.76,-3.635 ccw(c-148.76,-3.381) -148.506,-3.381 -148.506,-3.18 cw(c-148.179,-3.18) -148.179,-2.853 -146.958,-2.853 cw(c-146.958,-3.18) -146.631,-3.18 -146.631,-3.381 ccw(c-146.377,-3.381) -146.377,-3.635 D286.2@-119.375,-3.635 -96.436,-3.635 ccw(c-96.436,-3.381) -96.182,-3.381 -96.182,-3.18 cw(c-95.855,-3.18) -95.855,-2.853 -94.634,-2.853 cw(c-94.634,-3.18) -94.307,-3.18 -94.307,-3.381 ccw(c-94.053,-3.381) -94.053,-3.635 D284.2@-71.496,-3.635 -51.432,-3.635 ccw(c-51.432,-3.381) -51.178,-3.381 -51.178,-3.18 cw(c-50.851,-3.18) -50.851,-2.853 -49.631,-2.853 cw(c-49.631,-3.18) -49.304,-3.18 -49.304,-3.381 ccw(c-49.05,-3.381) -49.05,-3.635 D295.2@-47.241,-3.635 24.765,-3.635 ccw(c24.765,-3.381) 25.019,-3.381 25.019,-3.18 cw(c25.346,-3.18) 25.346,-2.853 26.566,-2.853 cw(c26.566,-3.18) 26.893,-3.18 26.893,-3.381 ccw(c27.147,-3.381) 27.147,-3.635 D294.2@28.956,-3.635 70.246,-3.635 ccw(c70.246,-3.381) 70.5,-3.381 70.5,-3.18 cw(c70.827,-3.18) 70.827,-2.853 72.047,-2.853 cw(c72.047,-3.18) 72.374,-3.18 72.374,-3.381 ccw(c72.628,-3.381) 72.628,-3.635 D281.2@95.25,-3.635 ; v1(-87.503,76.073) cw(c-85.905,74.475) -85.905,76.735 -84.586,76.735 ccw(c-84.586,79.275) -82.952,77.33 ccw(c-83.116,77.524) -82.938,77.343 -80.142,80.14 ccw(c-80.322,80.318) -80.105,80.45 cw(c-78.741,81.28) -79.954,82.318 cw(c-78.741,81.28) -79.067,82.843 ccw(c-79.121,83.091) -78.867,83.09 -78.867,84.512 ccw(c-80.06,84.512) -80.06,85.705 -81.267,85.705 cw(c-81.267,87.143) -82.284,86.126 U301.10@-82.669,86.512 U301.10@-82.652,86.494
  Bottom Layer w0.254: v1(-183.306,-2.986) -183.306,9.779 cw(c-180.766,9.779) -180.766,12.319 -164.719,12.319 ccw(c-164.719,14.859) -164.341,12.347 -151.692,12.347 ccw(c-151.692,14.887) -149.152,14.887 -149.152,70.05 cw(c-147.066,70.05) -147.066,72.136 -90.043,72.136 ccw(c-90.043,74.676) -87.503,74.676 v1(-87.503,76.073)
PA1: D232.2 D235.2 D237.2 D239.2 D241.2 D243.2 D245.2 D247.2 U301.11 | length 342.7
  Component Side w0.254: D232.2@-166.688,72.565 -156.47,72.565 cw(c-156.47,70.025) -153.93,70.025 -153.93,61.342 cw(c-154.184,61.344) -154.069,61.117 ccw(c-153.352,59.69) -153.845,58.171 cw(c-153.924,57.929) -153.67,57.931 -153.67,56.007 ccw(c-151.13,56.007) -151.13,53.467 -148.829,53.467 cw(c-148.829,53.213) -148.575,53.213 -148.575,53.06 ccw(c-148.248,53.06) -148.248,52.733 -147.027,52.733 ccw(c-147.027,53.06) -146.7,53.06 -146.7,53.271 cw(c-146.446,53.271) -146.446,53.525 -132.504,53.525 ccw(c-132.505,53.779) -132.294,53.638 cw(c-130.892,52.71) -129.489,53.638 ; -132.128,53.851 cw(c-130.892,52.71) -129.489,53.638 cw(c-130.892,52.71) -129.483,53.629 ccw(c-129.271,53.769) -129.272,53.515 D247.2@-117.3,53.515 -115.492,53.515 cw(c-115.492,53.261) -115.238,53.261 -115.238,53.06 ccw(c-114.911,53.06) -114.911,52.733 -113.69,52.733 ccw(c-113.69,53.06) -113.363,53.06 -113.363,53.366 cw(c-113.109,53.366) -113.315,53.515 D245.2@-95.251,53.515 -77.392,53.515 cw(c-77.392,53.261) -77.138,53.261 -77.138,53.06 ccw(c-76.811,53.06) -76.811,52.733 -75.59,52.733 ccw(c-75.59,53.06) -75.263,53.06 -75.263,53.261 cw(c-75.009,53.261) -75.009,53.515 D243.2@-57.151,53.515 -39.292,53.515 cw(c-39.292,53.261) -39.038,53.261 -39.038,53.06 ccw(c-38.711,53.06) -38.711,52.733 -37.49,52.733 ccw(c-37.49,53.06) -37.163,53.06 -37.163,53.261 cw(c-36.909,53.261) -36.909,53.515 D241.2@-19.051,53.515 -1.192,53.515 cw(c-1.192,53.261) -0.938,53.261 -0.938,53.06 ccw(c-0.611,53.06) -0.611,52.733 0.61,52.733 ccw(c0.61,53.06) 0.933,53.012 ; U301.11@-82.316,86.865 -82.055,86.605 ccw(c-80.978,87.682) -82.054,86.603 ccw(c-80.978,87.682) -80.978,86.159 -71.301,86.159 cw(c-71.301,84.073) -69.215,84.073 -69.215,77.486 cw(c-69.383,77.486) v1(-69.383,77.317) ; 0.933,53.013 ccw(c0.61,53.06) 0.937,53.06 0.937,53.261 cw(c1.191,53.261) 1.191,53.515 D239.2@19.049,53.515 36.908,53.515 cw(c36.908,53.261) 37.162,53.261 37.162,53.06 ccw(c37.489,53.06) 37.489,52.733 38.71,52.733 ccw(c38.71,53.06) 39.029,52.992 ccw(c38.71,53.06) 39.037,53.06 39.037,53.261 cw(c39.291,53.261) 39.291,53.515 D237.2@57.149,53.515 75.008,53.515 cw(c75.008,53.261) 75.262,53.261 75.262,53.06 ccw(c75.589,53.06) 75.589,52.733 76.81,52.733 ccw(c76.81,53.06) 77.133,53.012 ; 77.133,53.013 ccw(c76.81,53.06) 77.137,53.06 77.137,53.359 cw(c77.391,53.359) 77.19,53.515 D235.2@95.249,53.515
  Bottom Layer w0.254: v1(-78.74,53.311) -78.74,68.859 ccw(c-78.987,68.916) -78.734,68.902 cw(c-74.392,68.671) -74.622,73.013 ccw(c-74.637,73.266) -74.58,73.019 -73.43,73.019 -71.755,73.019 ccw(c-71.755,75.559) -69.215,75.559 -69.215,76.911 ccw(c-69.79,76.911) v1(-69.383,77.317)